# KiCad board GIMIX DMA SASI.kicad_pcb (continued)
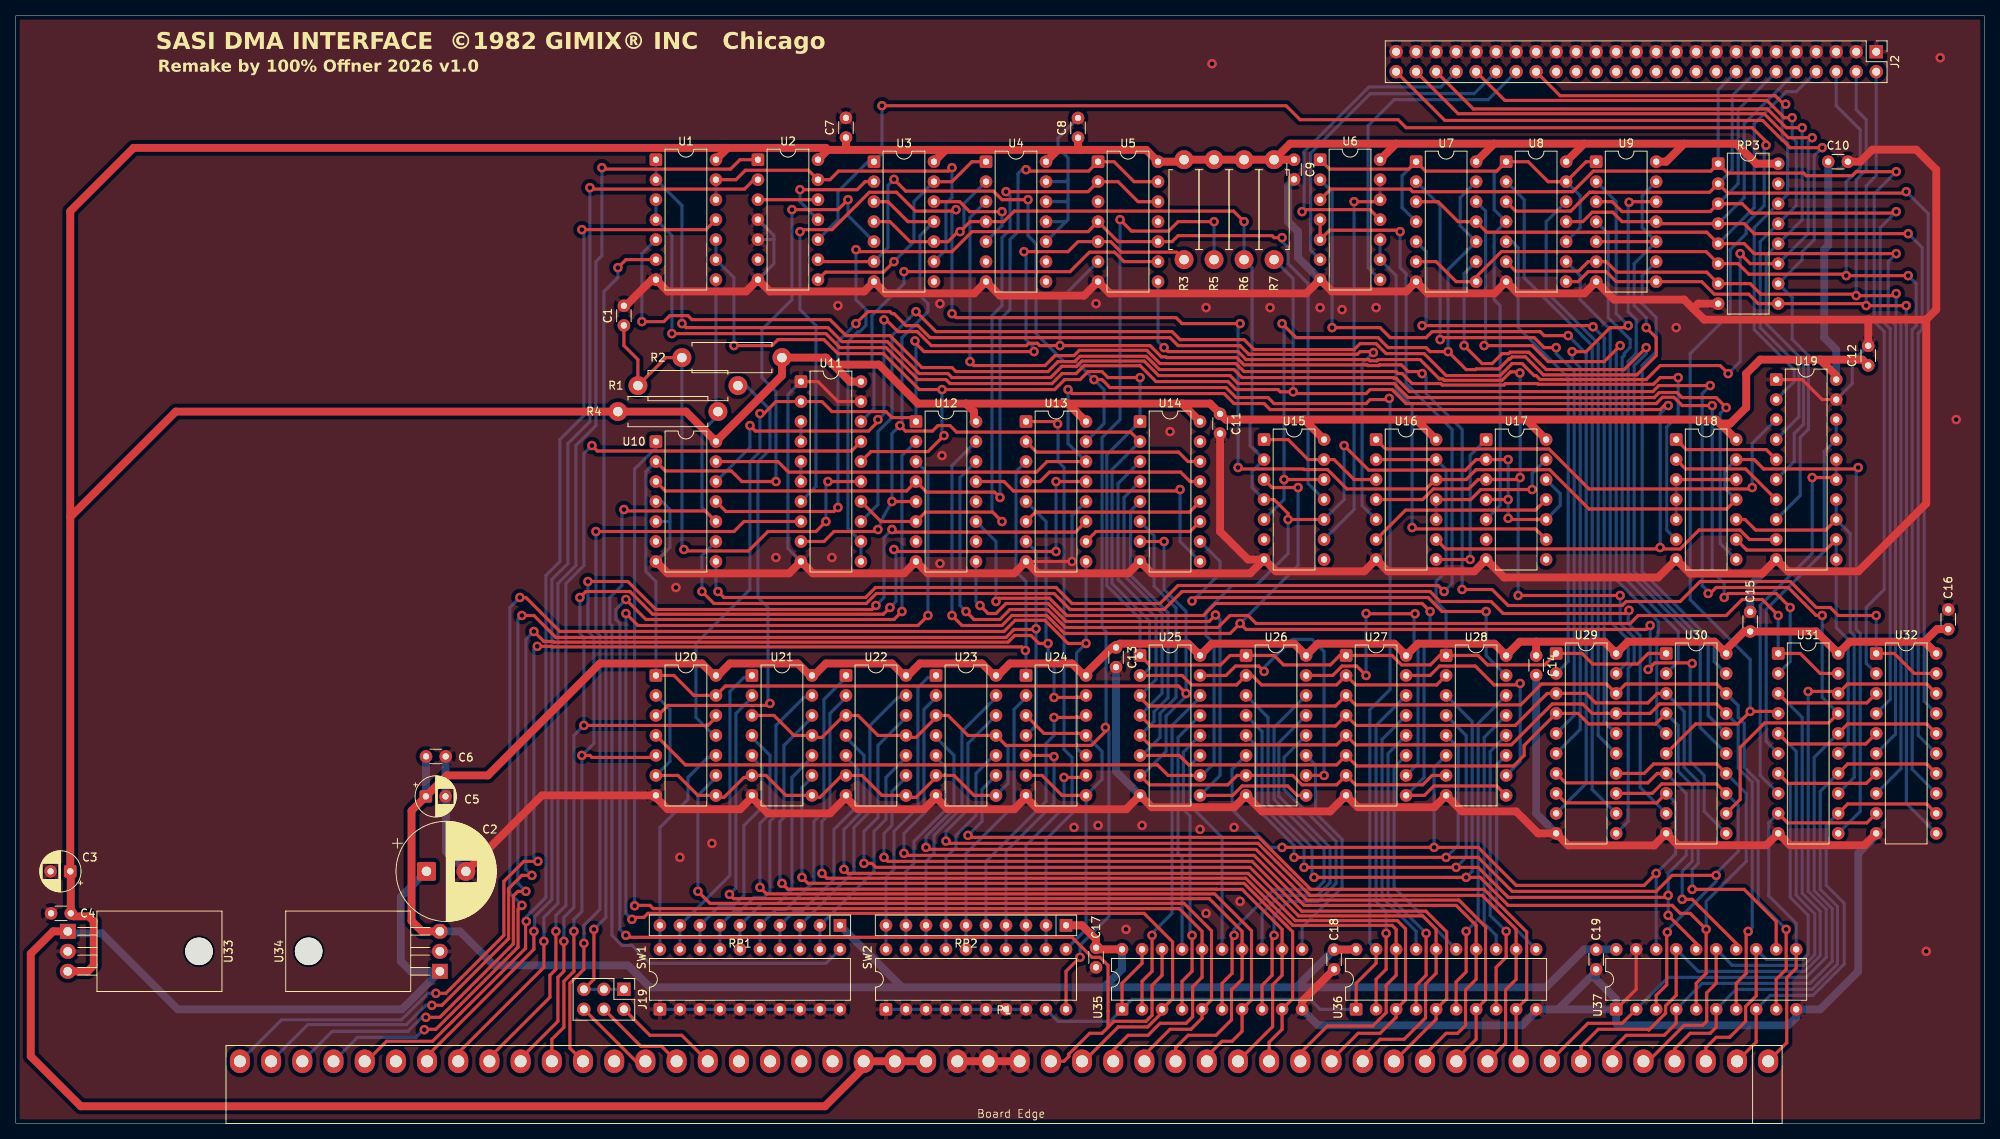
[diagram p0: board, top side]
## Routing (per net, layer and track width the routed paths; a pad name or vN(x,y) marks a point on that pad's centre or on a via; arc(x,y) is an arc through that point)
+5V: length 662.5
  Top w1: 211.84,124.46 199.14,124.46 ; 211.84,124.46 209.55,122.17 U9.14 ; 211.84,124.46 218.44,124.46 220.98,121.92 RP3.16 ; 199.14,124.46 187.71,124.46 ; 199.14,124.46 U8.14 ; 105.41,123.67 103.1,123.67 ; 105.41,123.67 118.09,123.67 ; 105.41,123.67 105.41,125.22 ; 103.1,123.67 U2.14 ; 103.1,123.67 102.85,123.93 90.4,123.93 ; 148.08,91.44 151.64,91.44 152.91,90.17 C11.1 153.63,89.41 163.58,89.41 ; 148.08,91.44 U14.16 ; 148.08,91.44 133.6,91.44 ; C9.1 R7.1 ; R7.1 R3.1 148.08,122.17 U5.14 143.53,123.67 135.13,123.67 ; R7.1 161.8,124.46 175.26,124.46 ; 229.11,97.03 221.49,97.03 219.71,95.25 219.71,90.93 217.68,88.9 216.41,88.9 ; 229.11,97.03 234.46,97.03 C12.1 235.44,96.29 ; 229.11,97.03 231.14,95 U19.20 ; 6.92,77.02 6.92,115.89 14.96,123.93 90.4,123.93 ; 6.92,77.02 20.32,90.42 R4.1 85.09,90.42 U10.14 97.28,95 R2.1 102.87,97.28 103.76,96.39 ; 6.92,77.02 C3.1 ; 191.77,89.41 U17.14 ; 191.77,89.41 177.8,89.41 ; 191.77,89.41 215.9,89.41 216.41,88.9 ; 132.31,123.67 118.09,123.67 ; 132.31,123.67 U4.14 ; 132.31,123.67 135.13,123.67 ; 118.09,123.67 U3.14 ; 103.76,96.39 105.92,94.23 U11.20 ; 103.76,96.39 109.6,96.39 114.55,91.44 120.65,91.44 ; U12.16 121.67,89.41 121.67,90.42 120.65,91.44 ; 90.4,123.93 U1.14 ; 135.13,123.67 134.87,123.93 C8.1 ; 163.58,89.41 177.8,89.41 ; 163.58,89.41 U15.14 ; 177.8,89.41 U16.14 ; 175.26,124.46 U6.14 ; 175.26,124.46 187.71,124.46 ; 120.65,91.44 133.6,91.44 ; U33.3 9.14,19.3 9.91,20.07 9.91,25.65 9.27,26.29 7.37,26.29 C4.1 ; 187.71,124.46 U7.14 ; 216.41,88.9 U18.14 ; 6.98,26.92 6.98,31.96 6.95,32 ; 133.6,91.44 U13.16
  Bottom w1: C10.1 230.12,111.51 229.62,111 229.62,99.82 231.14,98.3 U19.20
+8V: length 210.2
  Top w1: P1.28 P1.30 107.66,7.08 102.74,2.16 8.25,2.16 1.91,8.51 1.91,21.55 4.74,24.38 U33.1
  Bottom w1: C2.1 48.89,28.75 48.89,20.57 50.17,19.3 U34.1 49.02,14.48 20.57,14.48 10.92,24.13 6.35,24.13 U33.1
GND: length 1004.2
  Top w0.4: 235.2,101.85 235.46,102.11 ; U11.1 101.85,94.23 104.39,91.69 U11.19 ; U37.19 205.74,17.02 U37.1 ; U19.19 229.36,91.95 226.82,94.49 U19.1 ; v1(134.11,71.37) U13.8
  Top w1: 116.84,41.4 118.34,39.9 126.77,39.9 128.27,41.4 ; 116.84,41.4 U23.7 ; 116.84,41.4 115.34,39.9 106.91,39.9 105.41,41.4 ; C10.2 234.19,122.17 235.71,123.7 241.3,123.7 243.84,121.16 243.84,103.38 242.57,102.11 ; U32.10 234.72,35.33 225.27,35.33 U31.10 222.27,35.33 211.05,35.33 U30.10 208.03,35.31 197.1,35.31 U29.10 193.29,36.83 190.5,39.62 183.64,39.62 U28.8 180.11,40.16 170.41,40.16 U27.8 166.88,39.62 158.24,39.62 U26.8 154.71,40.16 144.25,40.16 U25.8 140.99,39.9 129.77,39.9 128.27,41.4 ; P1.27 P1.25 ; 93.47,41.4 95.5,39.37 103.38,39.37 105.41,41.4 ; 93.47,41.4 91.97,39.9 82.78,39.9 81.28,41.4 U20.7 66.8,41.66 C2.2 ; 93.47,41.4 U21.7 ; 212.98,103.5 214.38,102.11 235.2,102.11 ; 212.98,103.5 211.84,104.65 202.95,104.65 U9.7 199.16,105.43 190.73,105.43 U8.7 187.73,105.43 179.3,105.43 U7.7 176.55,105.69 167.11,105.69 U6.7 163.85,105.43 138.91,105.43 U5.7 135.64,105.16 124.97,105.16 U4.7 121.69,105.43 110.47,105.43 U3.7 107.72,105.69 95.73,105.69 U2.7 92.73,105.69 82.78,105.69 U1.7 80.77,107.19 77.45,103.87 C1.2 ; 212.98,103.5 213.61,104.14 RP3.8 ; 242.57,102.11 242.57,78.74 233.96,70.13 225.02,70.13 U19.10 221.74,69.85 212.6,69.85 U18.7 208.53,69.34 188.98,69.34 U17.7 185.19,70.13 174.22,70.13 U16.7 171.22,70.13 160,70.13 U15.7 ; 242.57,102.11 235.2,102.11 ; C11.2 152.91,75.18 156.46,71.63 U15.7 ; U35.10 163.32,15.49 C18.2 ; 128.27,41.4 U24.7 ; 105.41,41.4 U22.7 ; U15.7 156.74,69.87 144.25,69.87 U14.8 141.25,69.87 129.77,69.87 U13.8 126.77,69.87 115.8,69.87 U12.8 112.8,69.87 101.2,69.87 U11.10 98.2,69.87 82.78,69.87 U10.7 ; 235.2,102.11 C12.2
  Bottom w0.4: 133.6,119.89 133.35,119.63 U4.13 ; 133.6,119.89 133.6,122.68 132.33,123.95 132.33,125.18 C8.2 ; 133.6,119.89 133.6,117.35 ; 96.27,112.27 96.27,109.22 U2.7 ; 96.27,112.27 96.27,112.78 U2.4 ; 96.27,112.27 U2.5 ; U4.10 133.35,114.55 ; 133.35,114.55 133.6,114.81 133.6,117.35 ; 133.35,114.55 U4.11 ; C12.2 233.17,96.75 233.17,93.98 U19.19 ; SW1.10 SW1.1 ; U11.10 98.04,73.02 98.04,92.58 U11.1 ; v1(134.11,71.37) 134.11,77.22 U13.12 ; 83.06,76.45 83.06,77.98 82.04,78.99 U10.4 ; 83.06,76.45 83.06,73.15 U10.7 ; 83.06,76.45 U10.5 ; SW2.8 SW2.1 ; U4.12 133.35,117.09 133.6,117.35
  Bottom w1: U35.10 165.35,12.45 191.26,12.45 193.04,14.22 U36.10 195.83,14.48 ; C13.2 139.7,44.7 U25.8 ; C14.2 193.04,39.37 U29.10 ; U37.1 203.2,15.75 200.66,18.29 C19.2 200.66,19.3 195.83,14.48 ; U37.1 203.2,12.7 203.45,12.45 225.04,12.45 226.06,13.46 U37.10 229.11,14.48 233.93,19.3 233.93,34.29 236.22,36.58 U32.10 ; U37.1 195.83,14.48 ; 54.63,41.53 54.63,34.52 C2.2 ; C6.2 54.57,46.59 C5.2 ; U19.10 220.22,68.33 C15.2 ; C9.2 162.31,119.89 161.54,119.13 161.54,114.55 162.81,113.28 162.81,109.98 U6.7
  vias: v1(83.82,68.07) v1(84.33,33.78) v1(88.39,35.56) v1(96.52,71.88) v1(103.63,71.88) v1(104.39,103.89) v1(117.35,104.14) v1(117.35,71.12) v1(117.6,84.84) v1(134.37,37.59) v1(137.16,104.14) v1(137.41,37.85) v1(140.97,24.64) v1(143,37.85) v1(146.56,87.88) v1(150.37,37.34) v1(151.13,103.63) v1(151.13,26.67) v1(151.89,134.62) v1(154.69,37.59) v1(155.45,28.19) v1(159.26,103.63) v1(165.61,103.63) v1(168.4,103.38) v1(172.72,103.63) v1(210.82,101.09) v1(242.57,21.84) v1(244.35,135.38) v1(246.38,89.41)
+5C: length 443
  Top w1: U35.20 137.37,22.1 C17.1 137.16,23.37 135.38,25.15 RP2.1 ; 193.04,61.19 190.98,61.19 U28.16 187.73,60.94 178.03,60.94 U27.16 175.03,60.94 165.33,60.94 U26.16 162.33,60.94 151.87,60.94 U25.16 148.87,60.94 140.18,60.94 C13.1 139.19,60.45 135.89,57.15 U24.14 135.64,56.9 134.11,58.42 126.24,58.42 124.71,56.9 U23.14 124.21,56.9 122.68,58.42 114.81,58.42 113.28,56.9 U22.14 112.78,56.9 111.25,58.42 102.87,58.42 101.35,56.9 U21.14 100.84,56.9 99.31,58.42 90.68,58.42 89.15,56.9 U20.14 88.65,56.9 87.12,58.42 74.17,58.42 59.94,44.2 54.74,44.2 C5.1 50.25,39.71 50.25,25.72 51.58,24.38 U34.3 ; 193.04,61.19 C14.1 ; 193.04,61.19 201.7,61.19 U29.20 204.7,61.19 215.67,61.19 U30.20 217.17,60.2 219.46,62.48 C15.1 228.6,62.48 U31.20 ; C18.1 170.14,22.06 U36.20 ; C16.1 243.93,62.78 242.34,61.19 ; U31.20 232.89,61.19 242.34,61.19 ; U31.20 229.89,61.19 ; 242.34,61.19 U32.20
  Bottom w1: 112.52,17.27 138.18,17.27 ; 112.52,17.27 RP1.1 ; 112.52,17.27 80.52,17.27 77.72,20.07 60.71,20.07 56.39,24.38 U34.3 ; 138.18,17.27 140.46,19.56 U35.20 ; 138.18,17.27 162.6,17.27 ; U37.20 199.14,22.1 194.31,17.27 162.6,17.27 ; C6.1 52.09,41.55 C5.1 ; 162.6,17.27 C18.1 167.43,22.1 U36.20
/A0: length 197.6
  Top w0.4: 138.68,12.19 137.92,11.43 136.35,11.43 133.71,8.8 133.71,8.49 133.09,7.87 P1.24 ; 138.68,12.19 139.45,12.95 143.51,12.95 144.27,13.72 144.27,17.53 145.54,18.8 U35.18 ; 138.68,12.19 138.68,14.22 138.69,14.23 138.69,20.06 137.67,21.08 136.65,21.08 134.11,23.62 77.72,23.62 v1(77.47,23.88) ; v1(77.47,66.55) 80.01,64.01 111.51,64.01 v1(112.52,65.02)
  Bottom w0.4: v1(112.52,65.02) 112.52,84.84 U12.2 ; v1(77.47,66.55) 76.2,65.28 76.2,64.01 76.71,63.5 76.71,24.64 v1(77.47,23.88)
/A1: length 191.6
  Top w0.4: P1.23 135.61,7.87 139.98,12.24 143.72,12.24 145.54,14.06 U35.3 146.88,15.82 146.88,23.04 143.26,26.67 80.26,26.67 79.76,26.16 78.49,26.16 v1(78.23,25.91) ; v1(77.47,64.77) 78.99,63.25 114.55,63.25 v1(115.82,64.52)
  Bottom w0.4: v1(77.47,64.77) 77.47,26.67 v1(78.23,25.91) ; v1(115.82,64.52) 115.82,82.55 U12.3
/A2: length 158.1
  Top w0.4: P1.22 139.34,9.3 141.22,11.18 143.76,11.18 145.29,12.7 148.59,12.7 149.42,13.53 149.42,17.34 150.62,18.54 U35.16 150.62,24.38 147.74,27.27 80.93,27.27 80.52,27.69 78.7,27.69 78.65,27.63 v1(78.57,27.63)
  Bottom w0.4: v1(78.57,27.63) 78.57,83.11 81.28,85.81 U10.1
/A2': length 107.2
  Top w0.4: v1(128.27,121.16) 128.45,120.97 136.21,120.97 U5.1 139.45,122.17 141.99,119.63 U5.13 ; U10.3 82.48,80.33 113.1,80.33 U12.4 115.64,80.19 124.28,80.19 v1(124.97,79.5)
  Bottom w0.4: v1(124.97,79.5) 124.97,102.11 126.24,103.38 126.24,112.27 127.25,113.28 127.25,120.65 127.76,121.16 v1(128.27,121.16)
/A3: length 104.6
  Top w0.4: P1.21 143.3,8.68 146.56,11.94 149.21,11.94 150.62,13.35 U35.5 151.82,15.68 151.82,24.45 148.34,27.94 88.14,27.94 v1(86.61,29.46)
  Bottom w0.4: v1(86.61,29.46) 86.61,41.66 88.9,43.94 U20.9
/A4: length 115.6
  Top w0.4: v1(90.62,29.08) 91.16,28.54 151.55,28.54 155.7,24.38 U35.14 155.7,18.29 154.36,16.95 154.36,13.14 152.4,11.18 148.84,11.18 147.26,9.6 P1.20
  Bottom w0.4: v1(90.62,29.08) 91.44,29.9 91.44,52.07 93.47,54.1 U21.2
/A5: length 105.2
  Top w0.4: v1(94.49,29.97) 95.32,29.14 152.22,29.14 156.9,24.45 156.9,15.68 U35.7 155.7,11.68 154.43,10.41 153.16,10.41 151.22,8.48 P1.19
  Bottom w0.4: v1(94.49,29.97) 94.49,38.1 95.76,39.37 95.76,46.74 93.47,49.02 U21.4
/A6: length 108.1
  Top w0.4: P1.18 159.58,12.27 159.58,17.6 160.78,18.8 U35.12 160.78,24.64 155.7,29.72 152.49,29.72 152.46,29.74 98.02,29.74 v1(97.28,30.48)
  Bottom w0.4: U21.12 101.09,51.56 97.54,48.01 97.54,38.86 97.03,38.35 97.03,30.73 v1(97.28,30.48)
/A7: length 96.3
  Top w0.4: v1(99.82,31.24) 100.58,30.48 155.96,30.48 162.12,24.31 162.12,15.82 U35.9 160.78,11.94 159.14,10.3 P1.17
  Bottom w0.4: U21.9 101.09,43.94 99.82,42.67 v1(99.82,31.24)
/A8: length 124.9
  Top w0.4: P1.16 163.1,8.93 166.54,12.36 172.3,12.36 173.99,14.05 173.99,17.53 175.26,18.8 U36.18 175.26,24.64 174.75,25.15 162.14,25.15 156.16,31.12 102.99,31.12 v1(102.36,31.75)
  Bottom w0.4: v1(102.36,31.75) 102.36,38.35 103.38,39.37 103.38,52.07 105.41,54.1 U22.2
/A9: length 115.8
  Top w0.4: P1.15 167.06,8.06 170.43,11.43 173.23,11.43 175.26,13.46 U36.3 176.46,15.68 176.46,24.71 175.42,25.75 162.47,25.75 156.46,31.75 105.66,31.75 v1(105.16,32.26)
  Bottom w0.4: U22.4 105.41,49.02 107.7,46.74 107.7,39.88 105.16,37.34 v1(105.16,32.26)
/A10: length 119.5
  Top w0.4: P1.14 171.02,8.46 173.23,10.67 176.28,10.67 179,13.39 179,17.71 180.34,19.05 U36.16 180.34,24.64 178.63,26.35 162.88,26.35 156.72,32.51 109.22,32.51 108.71,33.02 v1(107.7,33.02)
  Bottom w0.4: U22.12 113.03,51.56 109.47,48.01 109.47,38.86 107.7,37.08 v1(107.7,33.02)
/A11: length 106.2
  Top w0.4: v1(110.24,33.78) 110.74,33.27 156.97,33.27 163.3,26.95 179.05,26.95 181.68,24.31 181.68,15.82 U36.5 180.34,13.21 175.01,7.87 P1.13
  Bottom w0.4: v1(110.24,33.78) 110.24,36.83 111.25,37.85 111.25,42.16 113.03,43.94 U22.9
/A12: length 119
  Top w0.4: v1(112.78,34.29) 113.03,34.04 157.23,34.04 163.58,27.69 182.88,27.69 185.42,25.15 U36.14 185.42,18.29 184.08,16.95 184.08,12.45 183.06,11.43 181.61,11.43 178.94,8.76 P1.12
  Bottom w0.4: U23.2 116.84,54.1 115.32,52.58 115.32,39.37 112.78,36.83 v1(112.78,34.29)
/A13: length 110.5
  Top w0.4: P1.11 182.9,8.15 185.42,10.67 U36.7 186.62,15.68 186.62,24.96 183.23,28.35 163.92,28.35 157.48,34.8 115.82,34.8 v1(115.57,35.05)
  Bottom w0.4: U23.4 116.84,49.02 119.13,46.74 119.13,39.96 115.57,36.41 v1(115.57,35.05)
/A14: length 113.9
  Top w0.4: P1.10 189.16,10.17 189.16,16.95 190.5,18.29 U36.12 190.5,24.64 186.18,28.96 164.34,28.96 157.73,35.56 118.4,35.56 v1(118.11,35.85)
  Bottom w0.4: v1(118.11,35.85) 118.11,37.08 120.9,39.88 120.9,48.26 U23.12
/A15: length 102.2
  Top w0.4: P1.9 190.82,8.31 190.5,8.64 U36.9 191.84,15.82 191.84,24.31 186.44,29.72 164.42,29.72 157.82,36.32 121.16,36.32 v1(120.9,36.58)
  Bottom w0.4: v1(120.9,36.58) 122.68,38.35 122.68,42.42 U23.9
/A16: length 170.6
  Top w0.4: v1(128.19,60.07) 127.74,60.52 68.08,60.52 68.01,60.59 v1(66.22,60.59) ; v1(53.34,16.51) 54.61,16.51 61.98,23.88 61.98,30.73 64.52,33.27 v1(66.29,33.27)
  Bottom w0.4: U24.1 128.27,59.99 v1(128.19,60.07) 128.27,60.15 128.27,68.83 127,70.1 127,82.8 U13.3 ; v1(66.22,60.59) 65.79,60.16 65.79,33.78 v1(66.29,33.27) ; v1(53.34,16.51) 52.33,16.51 48.95,13.14 33.73,13.14 P1.50
/A17: length 175.5
  Top w0.4: v1(52.83,14.99) 54.1,14.99 62.58,23.46 62.58,29.81 64.26,31.5 v1(65.53,31.5) ; v1(131.06,60.96) 129.92,60.96 128.9,61.98 126.83,61.98 125.98,61.12 68.33,61.12 68.24,61.21 67.06,61.21 v1(65.79,62.48) ; v1(131.83,54.1) 135.64,54.1 U24.13
  Bottom w0.4: P1.49 37.09,12.54 49.62,12.54 52.07,14.99 v1(52.83,14.99) ; v1(65.53,31.5) 64.77,32.26 64.77,61.47 v1(65.79,62.48) ; v1(131.83,54.1) 131.83,58.17 131.06,58.93 v1(131.06,60.96) 130.81,61.21 130.81,76.45 U13.5
/A18: length 169.2
  Top w0.4: v1(64.77,29.46) 63.75,29.46 63.18,28.89 63.18,22.8 53.84,13.46 v1(52.07,13.46) ; v1(64.26,64.52) 65.79,64.52 68.58,61.72 125.73,61.72 126.75,62.74 129.46,62.74 v1(129.54,62.82)
  Bottom w0.4: v1(52.07,13.46) 51.56,13.46 49.78,11.68 40.19,11.68 P1.48 ; U13.7 129.54,72.64 v1(129.54,62.82) 129.54,50.55 U24.4 ; v1(64.26,64.52) 63.75,64.01 63.75,30.48 v1(64.77,29.46)
/A19: length 176.5
  Top w0.4: v1(64.26,27.69) 63.78,27.2 63.78,22.37 53.34,11.94 51.92,11.94 v1(51.87,11.88) ; v1(64.01,66.8) 64.77,66.8 69.09,62.48 125.48,62.48 126.91,63.91 130.65,63.91 133.6,60.96 v1(135.89,60.96)
  Bottom w0.4: v1(51.87,11.88) 51.76,11.88 50.8,10.92 43.39,10.92 P1.47 ; U24.10 135.64,46.74 134.69,47.68 134.69,59.76 v1(135.89,60.96) U13.9 ; v1(64.01,66.8) 62.74,65.53 62.74,29.21 v1(64.26,27.69)
/BA: length 141.5
  Top w0.4: v1(74.42,121.41) 74.61,121.23 90.75,121.23 91.95,122.43 U2.1 ; v1(67.06,23.11) 67.06,19.81 56.18,8.94 P1.43
  Bottom w0.4: v1(67.06,23.11) 67.06,26.16 68.83,27.94 68.83,68.58 71.12,70.87 71.12,86.11 73.66,88.65 73.66,109.47 74.42,110.24 v1(74.42,121.41)
/BD0: length 48.4
  Top w0.4: U32.9 235.02,38.17 224.97,38.17 U31.9 ; P1.1 224.86,10.23 224.86,18.5 226.06,19.7 U37.11
  Bottom w0.4: U37.11 226.06,25.4 222.57,28.89 222.57,38.17 U31.9
/BD1: length 55.3
  Top w0.4: U32.12 242.64,40.57 232.59,40.57 U31.12 ; P1.2 220.98,10.31 U37.8
  Bottom w0.4: U31.12 229.87,37.85 229.87,30.23 232.16,27.94 232.16,20.23 228.18,16.26 222.76,16.26 U37.8
/BD2: length 63.3
  Top w0.4: U32.7 234.95,43.18 225.04,43.18 U31.7 ; U37.13 220.98,16.18 219.64,14.84 219.64,12.95 217.61,10.92 215.9,10.92 214.58,9.61 P1.3
  Bottom w0.4: U37.13 222.25,20.83 226.95,20.83 227.58,21.46 227.58,26.42 225.3,28.7 225.3,42.93 U31.7
/BD3: length 67.6
  Top w0.4: U31.14 232.59,45.65 242.64,45.65 U32.14 ; U37.6 215.9,12.19 215.14,11.43 212.6,11.43 210.62,9.46 P1.4
  Bottom w0.4: U31.14 229.11,42.16 229.11,29.72 231.3,27.52 231.3,20.23 228.09,17.02 218.44,17.02 U37.6
/BD4: length 77.3
  Top w0.4: P1.5 207.26,7.87 211.84,12.45 214.19,12.45 214.7,12.95 214.7,16.58 215.9,17.78 U37.15 ; U31.5 225.11,48.19 234.88,48.19 U32.5
  Bottom w0.4: U37.15 217.93,20.07 227.04,20.07 228.42,21.45 228.42,26.6 226.06,28.96 226.06,47.24 U31.5
/BD5: length 79.7
  Top w0.4: U32.16 242.64,50.73 232.59,50.73 U31.16 ; U37.4 210.82,12.7 209.3,11.18 204.47,11.18 202.7,9.41 P1.6
  Bottom w0.4: U31.16 228.35,46.48 228.35,29.55 230.63,27.26 230.63,20.57 227.84,17.78 214.12,17.78 U37.4
/BD6: length 92.4
  Top w0.4: U37.17 210.82,16.26 209.48,14.92 209.48,13.98 207.35,11.85 207.26,11.94 200.91,11.94 198.74,9.77 P1.7 ; U31.3 224.97,53.41 235.02,53.41 U32.3
  Bottom w0.4: U31.3 226.82,51.56 226.82,29.21 229.11,26.92 229.11,21.29 227.12,19.3 213.61,19.3 U37.17
/BD7: length 92.6
  Top w0.4: P1.8 199.61,12.7 203.96,12.7 U37.2 ; U32.18 242.64,55.81 232.59,55.81 U31.18 231.14,54.86 v1(227.58,54.86)
  Bottom w0.4: U37.2 209.8,18.54 227.33,18.54 229.87,21.08 229.87,27.18 227.58,29.46 v1(227.58,54.86)
/BE: length 96.3
  Top w0.4: U11.8 92.46,76.45 91.19,75.18 v1(73.66,75.18) ; P1.39 70.36,9.54 70.36,17.78 72.14,19.56 v1(72.14,22.86)
  Bottom w0.4: v1(72.14,22.86) 72.14,25.15 74.17,27.18 74.17,61.98 73.66,62.48 v1(73.66,75.18)
/BR/~{W}: length 162.3
  Top w0.4: v1(69.6,23.11) 69.6,19.3 68.83,18.54 68.83,12.95 64.1,8.22 P1.41 ; v1(132.08,72.64) 111.76,72.64 v1(111.51,72.9) ; v1(132.08,81.53) U13.13 ; v1(72.14,50.55) 87.88,50.55 88.9,51.56 U20.12 ; v1(71.63,66.8) 72.39,67.56 77.98,67.56 80.86,64.68 110.14,64.68 v1(111,65.53)
  Bottom w0.4: v1(111,65.53) 111.76,66.29 111.76,72.64 v1(111.51,72.9) ; v1(69.6,23.11) 69.6,26.16 70.87,27.43 70.87,49.28 v1(72.14,50.55) 72.14,61.72 71.63,62.23 v1(71.63,66.8) ; v1(132.08,72.64) v1(132.08,81.53)
/BS: length 141.5
  Top w0.4: v1(65.79,24.38) 65.79,22.1 52.22,8.54 P1.44 ; v1(72.9,118.87) 73.08,118.69 92.53,118.69 93.73,119.89 U2.2
  Bottom w0.4: v1(65.79,24.38) 65.88,24.47 65.88,26.25 68.07,28.45 68.07,69.09 70.1,71.12 70.1,86.36 72.9,89.15 v1(72.9,118.87)
/DIP Switches/swA3: length 28
  Bottom w0.4: U20.10 88.65,46.48 87.88,46.48 85.34,43.94 85.34,41.15 81.79,37.59 RP1.10 SW1.20
/DIP Switches/swA4: length 39
  Bottom w0.4: U21.1 93.22,56.64 92.46,56.64 90.68,54.86 90.68,31.5 RP1.9 SW1.19
/DIP Switches/swA5: length 29.5
  Bottom w0.4: U21.5 93.47,46.48 94.74,45.21 94.74,40.13 92.46,37.85 92.46,28.96 91.19,27.69 89.41,27.69 RP1.8 SW1.18
/DIP Switches/swA6: length 38.7
  Bottom w0.4: U21.13 100.84,54.1 100.08,54.1 96.52,50.55 96.52,39.12 95.76,38.35 95.76,29.46 95,28.7 93.73,28.7 91.95,26.92 91.19,26.92 RP1.7 SW1.17
/DIP Switches/swA7: length 29.6
  Bottom w0.4: SW1.16 RP1.6 94.74,27.94 96.77,27.94 98.55,29.72 98.55,43.94 101.09,46.48 U21.10
/DIP Switches/swA8: length 40.1
  Bottom w0.4: U22.1 105.41,56.64 102.62,53.85 102.62,39.62 101.35,38.35 101.35,30.73 97.79,27.18 96.52,27.18 RP1.5 SW1.15
/DIP Switches/swA9: length 30
  Bottom w0.4: U22.5 105.41,46.48 106.93,44.96 106.93,40.39 103.89,37.34 103.89,30.99 99.82,26.92 98.81,26.92 RP1.4 SW1.14
/DIP Switches/swA10: length 38.3
  Bottom w0.4: U22.13 112.78,54.1 112.01,54.1 108.46,50.55 108.46,39.62 106.43,37.59 106.43,32 RP1.3 SW1.13
/DIP Switches/swA11: length 29.2
  Bottom w0.4: SW1.12 RP1.2 108.97,32 108.97,37.08 110.49,38.61 110.49,43.94 113.03,46.48 U22.10
/DIP Switches/swA12: length 37.9
  Bottom w0.4: U23.1 116.59,56.64 115.82,56.64 114.55,55.37 114.55,40.13 111.51,37.08 111.51,32.26 110.49,31.24 RP2.10 SW2.20
/DIP Switches/swA13: length 27.2
  Bottom w0.4: SW2.19 RP2.9 113.03,32 114.05,33.02 114.05,35.81 118.04,39.81 118.04,45.28 116.84,46.48 U23.5
/DIP Switches/swA14: length 35.9
  Bottom w0.4: SW2.18 RP2.8 115.57,33.27 116.59,34.29 116.59,36.58 120.14,40.13 120.14,49.78 124.46,54.1 U23.13
/DIP Switches/swA15: length 27.4
  Bottom w0.4: U23.10 124.21,46.48 123.95,46.48 121.92,44.45 121.92,39.12 119.38,36.58 119.38,35.05 118.11,33.78 RP2.7 SW2.17
/DIP Switches/swA16: length 35.4
  Bottom w0.4: SW2.16 RP2.6 120.65,34.29 126.75,40.39 126.75,52.58 128.27,54.1 U24.2
/DIP Switches/swA17: length 37.2
  Top w0.4: U24.12 135.64,51.56 v1(131.83,51.56)
  Bottom w0.4: SW2.15 RP2.5 123.19,33.27 130.81,40.89 130.81,48.26 131.83,49.28 v1(131.83,51.56)
/DIP Switches/swA18: length 30.6
  Top w0.4: U24.5 131.68,46.74 v1(131.83,46.59)
  Bottom w0.4: SW2.14 RP2.4 125.73,34.54 131.83,40.64 v1(131.83,46.59)
/DIP Switches/swA19: length 26.7
  Top w0.4: v1(133.1,43.94) 135.64,43.94 U24.9
  Bottom w0.4: v1(133.1,43.94) 133.1,40.13 128.27,35.31 RP2.3 SW2.13
/DIP Switches/~{DMAON}: length 73
  Top w0.4: v1(132.28,88.86) 131.99,89.15 U13.1
  Bottom w0.4: v1(132.28,88.86) 132.33,88.81 132.33,84.07 133.1,83.31 133.1,47.5 134.11,46.48 134.11,39.37 130.81,36.07 RP2.2 SW2.12
/DMAE: length 231.1
  Top w0.4: U30.6 213.29,50.73 218.62,50.73 v1(220.22,52.32) 223.52,52.32 U31.4 ; v1(222.23,124.27) 222.23,124.73 220.47,126.49 176.53,126.49 175.51,127.51 163.07,127.51 161.29,129.29 v1(109.98,129.29)
  Bottom w0.4: v1(222.23,124.27) 222.23,124.19 222,123.95 222,116.59 219.71,114.3 219.71,113.03 217.68,111 217.68,102.87 212.6,97.79 212.6,66.55 220.22,58.93 v1(220.22,52.32) ; U2.10 104.39,114.81 104.39,118.36 108.2,122.17 U3.1 109.98,123.19 v1(109.98,129.29)
/DMAWNDW: length 243.3
  Top w0.4: v1(145.8,73.91) U14.7 ; v1(98.55,116.08) 104.39,116.08 v1(105.66,117.35) ; U10.2 82.48,82.87 90.86,82.87 92.2,81.53 v1(96.52,81.53) ; U20.1 83.57,56.9 86.11,54.36 U20.13 90.1,55.56 147.64,55.56 v1(148.59,54.61) ; U25.7 143.95,43 153.88,43 155.08,44.2 U26.7 162.13,44.2 163.33,43 167.71,43 U27.7 170.11,43 178.63,43 179.83,44.2 U28.7
  Bottom w0.4: v1(96.52,81.53) 96.52,92.96 94.74,94.74 94.74,100.84 98.55,104.65 v1(98.55,116.08) ; U20.1 81.28,68.83 80.01,70.1 80.01,82.8 U10.2 ; v1(105.66,117.35) 105.66,115.32 U3.5 ; v1(145.8,73.91) 145.8,67.82 148.59,65.02 v1(148.59,54.61) 148.59,54.27 146.05,51.73 146.05,47.24 143,44.2 U25.7
/E: length 134.6
  Top w0.4: v1(106.68,111) 106.93,110.74 118.87,110.74 121.41,113.28 136.14,113.28 U5.4 139.95,112.01 U5.10 146.81,112.01 147.57,112.78 159.51,112.78 159.77,112.52 v1(160.78,112.52)
  Bottom w0.4: v1(106.68,111) 106.68,104.65 107.95,103.38 107.95,101.39 107.11,100.55 106.9,100.55 105.66,99.31 105.66,75.56 U11.12 U11.11 ; v1(160.78,112.52) 160.78,112.01 161.54,111.25 161.54,109.22 164.08,106.68 164.08,81.28 U15.11
/ID0: length 156.3
  Top w0.4: v1(224.79,24.64) 224.79,19.56 223.52,18.29 U37.9 ; U30.18 215.97,55.81 204.4,55.81 U29.18 202,55.81 193.73,55.81 191.08,53.16 170.11,53.16 U27.3 167.57,53.02 143.83,53.02 142.75,54.1 U25.3
  Bottom w0.4: U30.18 218.69,53.09 218.69,51.56 219.46,50.8 219.46,45.21 221.23,43.43 221.23,28.19 v1(224.79,24.64) ; U25.3 144.78,56.39 144.78,64.26 139.95,69.09 139.95,81.28 U14.3
/ID1: length 147.6
  Top w0.4: U25.4 144.09,50.48 167.57,50.48 U27.4 170.18,50.55 190.38,50.55 194.45,54.61 U29.3 199.39,54.61 200.59,53.41 207.22,53.41 208.42,54.61 U30.3 ; U37.12 223.52,25.65 219.46,29.72 v1(212.85,29.72)
  Bottom w0.4: U25.4 145.54,54.61 145.54,64.77 140.72,69.6 140.72,79.5 U14.4 ; U30.3 211.84,52.32 211.84,45.21 213.61,43.43 213.61,33.02 212.85,32.26 v1(212.85,29.72)
/ID2: length 153
  Top w0.4: U37.7 218.44,17.78 219.71,19.05 219.71,24.13 v1(219.96,24.38) ; U30.17 215.97,53.27 208.72,53.27 207.52,52.07 U29.17 200.15,52.07 198.95,53.27 195.08,53.27 189.89,48.08 170.11,48.08 U27.5 167.71,48.08 143.95,48.08 U25.5
  Bottom w0.4: U25.5 144.53,51.05 144.53,52.28 146.3,54.06 146.3,64.86 141.55,69.61 141.55,77.79 U14.5 ; U30.17 218.69,50.55 218.69,45.13 220.47,43.35 220.47,24.89 v1(219.96,24.38)
/ID3: length 142.1
  Top w0.4: v1(211.58,28.45) 212.85,28.45 218.44,22.86 U37.14 ; U25.6 147.73,46.74 148.93,45.54 167.71,45.54 U27.6 170.25,45.4 190.18,45.4 191.52,46.74 191.52,48.01 U29.4 198.37,52.07 199.71,50.73 208.21,50.73 U30.4
  Bottom w0.4: v1(211.58,28.45) 211.58,32 212.85,33.27 212.85,42.93 211.07,44.7 211.07,50.55 U30.4 ; U25.6 143,46.74 145.29,49.02 145.29,52.07 147.32,54.1 147.32,65.45 144.53,68.24 144.53,74.68 U14.6
/ID4: length 152.6
  Top w0.4: v1(164.85,31.24) v1(184.15,31.24) 185.93,31.24 189.48,27.69 210.31,27.69 211.33,26.67 212.6,26.67 v1(214.63,24.64) 214.63,19.05 213.36,17.78 U37.5 ; U30.14 215.97,45.65 207.96,45.65 206.76,44.45 U29.14
  Bottom w0.4: v1(164.85,31.24) 164.59,31.5 164.59,35.05 159,40.64 159,51.56 U26.3 ; v1(214.63,24.64) 214.63,28.19 219.71,33.27 219.71,41.91 U30.14 ; U28.3 184.91,51.05 184.91,32 v1(184.15,31.24)
/ID5: length 131.9
  Top w0.4: v1(209.8,28.96) 209.55,28.7 189.48,28.7 185.67,32.51 v1(182.88,32.51) v1(163.58,32.51) ; U37.16 213.36,22.86 v1(209.8,26.42) ; U30.7 208.42,44.45 207.22,43.25 196.78,43.25 U29.7
  Bottom w0.4: v1(182.88,32.51) 184.15,33.78 184.15,49.28 U28.4 ; v1(209.8,26.42) v1(209.8,28.96) 209.8,31.75 212.09,34.04 212.09,41.91 U30.7 ; U26.4 158.24,49.78 158.24,40.39 163.58,35.05 v1(163.58,32.51)
/ID6: length 138.3
  Top w0.4: U29.13 207.77,41.91 208.97,43.11 215.97,43.11 U30.13 ; U37.3 208.28,16.26 209.62,17.6 209.62,24.2 v1(209.7,24.28) ; v1(215.9,31.5) 210.31,31.5 208.28,29.46 189.99,29.46 185.67,33.78 v1(181.61,33.78) v1(162.31,33.78)
  Bottom w0.4: U26.5 157.48,48.01 157.48,40.13 162.31,35.31 v1(162.31,33.78) ; U28.5 183.13,47.75 183.13,35.31 v1(181.61,33.78) ; U30.13 218.69,40.39 218.69,34.54 215.9,31.75 v1(215.9,31.5) 215.9,30.73 209.7,24.53 v1(209.7,24.28)
/ID7: length 114.7
  Top w0.4: v1(208.28,31.75) 206.76,30.23 190.5,30.23 185.67,35.05 v1(180.09,35.05) v1(160.78,35.05) ; U29.8 196.78,40.71 208.35,40.71 U30.8
  Bottom w0.4: U26.6 154.43,44.96 154.43,39.88 159.26,35.05 v1(160.78,35.05) ; v1(180.09,35.05) 180.09,45.21 U28.6 ; U30.8 210.75,40.71 210.75,34.22 v1(208.28,31.75) U37.18
/READ: length 199.4
  Top w0.4: v1(209.8,91.19) 209.3,91.19 208.79,90.68 159.26,90.68 158.5,91.44 154.69,91.44 153.42,92.71 134.11,92.71 v1(133.6,93.22) ; U13.14 130.94,84.07 129.6,82.73 98.11,82.73 96.77,84.07 U10.13 ; U19.9 220.14,74.17 218.94,75.37 213.72,75.37 211.32,72.97 208.97,72.97 v1(208.79,73.15) 208.6,72.97 181.54,72.97 U16.9
  Bottom w0.4: v1(133.6,93.22) 133.6,86.36 U13.14 ; v1(209.8,91.19) 208.79,90.17 v1(208.79,73.15)
/SASI Interface/BUSY: length 46.7
  Bottom w0.4: U31.6 222.25,48.51 222.25,65.28 229.62,72.64 229.62,85.34 U19.17 U19.18
/SASI Interface/C/D: length 52.9
  Top w0.4: U19.13 229.8,75.37 220.91,75.37 219.57,76.71 U18.10
  Bottom w0.4: U31.13 233.43,43.94 233.43,61.98 232.92,62.48 232.92,74.93 U19.13 U19.14
/SASI Interface/I/O: length 42.1
  Top w0.4: U19.12 229.8,72.83 219.78,72.83 U18.9
  Bottom w0.4: U31.15 232.66,48.26 232.66,61.47 231.14,62.99 U19.11 U19.12
/SASI Interface/IRQ: length 217.8
  Top w0.4: v1(216.92,66.8) 217.42,67.31 223.52,67.31 v1(225.3,65.53) ; v1(83.31,100.33) 102.87,100.33 104.65,98.55 110.49,98.55 114.55,94.49 118.11,94.49 118.62,93.98 131.57,93.98 132.84,95.25 134.63,95.25 135.62,96.24 142.77,96.24 144.78,94.23 153.92,94.23 154.94,93.22 160.27,93.22 160.56,92.93 v1(162.19,92.93) 162.41,92.71 171.45,92.71 171.96,93.22 174.75,93.22 176.53,91.44 208.28,91.44 209.08,92.24 210.53,92.24 211.58,91.19 v1(215.39,91.19)
  Bottom w0.4: R7.2 162.19,107.3 v1(162.19,92.93) ; v1(215.39,91.19) 215.39,70.1 216.92,68.58 v1(216.92,66.8) ; U1.3 U1.4 83.31,112.78 v1(83.31,100.33) ; U31.2 225.3,58.67 v1(225.3,65.53)
/SASI Interface/IRQEN: length 233.1
  Top w0.4: v1(229.36,64.52) 228.6,64.52 225.04,68.07 215.9,68.07 215.14,67.31 v1(214.88,67.31) ; U30.12 218.95,41.15 218.95,47.75 222.07,50.87 230.19,50.87 U31.17 ; v1(215.14,93.73) 208.62,93.73 207.86,92.96 176.95,92.96 175.27,94.65 175.01,94.65 174.92,94.74 155.7,94.74 154.69,95.76 145.2,95.76 143.52,97.44 135.12,97.44 134.45,96.77 132.33,96.77 131.06,95.5 119.38,95.5 118.87,96.01 115.06,96.01 111,100.08 105.41,100.08 103.38,102.11 85.85,102.11 85.34,102.62 83.06,102.62 82.3,101.85 v1(79.5,101.85)
  Bottom w0.4: U1.5 79.5,110.49 v1(79.5,101.85) ; v1(229.36,64.52) 229.36,54.1 U31.17 ; v1(214.88,67.31) 214.88,67.56 214.12,68.33 214.12,92.71 v1(215.14,93.73)
/SASI Interface/MSG: length 49.5
  Top w0.4: U19.15 230.89,82.04 v1(228.09,82.04)
  Bottom w0.4: U31.8 221.49,44.2 221.49,65.79 228.09,72.39 v1(228.09,82.04) ; U19.16 U19.15
/SASI Interface/REQ: length 266
  Top w0.4: v1(118.87,102.87) 119.38,102.36 147.32,102.36 148.08,101.6 v1(155.45,101.6) ; v1(155.19,83.31) 155.38,83.13 163.51,83.13 163.58,83.06 166.54,83.06 169.01,80.59 179.05,80.59 180.25,81.79 U16.12 184.15,81.79 185.4,83.04 194.75,83.04 199.75,78.05 217.24,78.05 U18.11 ; v1(99.57,113.28) 99.82,113.54 103.63,113.54 108.39,118.29 111.83,118.29 114.23,115.89 119.2,115.89 v1(119.38,116.08) ; U18.13 220.73,84.33 221.93,83.13 233.75,83.13 v1(233.93,83.31)
  Bottom w0.4: v1(118.87,102.87) 118.87,115.57 v1(119.38,116.08) ; v1(155.19,83.31) 155.19,101.35 v1(155.45,101.6) ; U18.13 217.01,82.9 217.01,80.68 U18.11 ; U31.11 234.19,39.62 234.19,62.23 233.68,62.74 233.68,83.06 v1(233.93,83.31) ; U11.7 101.6,80.9 101.6,101.35 99.57,103.38 v1(99.57,113.28)
/SASI Interface/SAD0: length 59
  Bottom w0.4: U30.19 215.65,58.67 215.65,60.96 206.5,70.1 206.5,96.27 208.28,98.04 208.28,102.36 206.5,104.14 206.5,107.7 U9.9
/SASI Interface/SAD1: length 63.2
  Bottom w0.4: U9.4 202.18,113.03 202.18,102.36 204.98,99.57 204.98,98.55 204.22,97.79 204.22,97.54 203.96,97.28 203.96,69.6 211.07,62.48 211.07,58.67 U30.2
/SASI Interface/SAD2: length 92.5
  Top w0.4: v1(183.9,98.81) 186.18,96.52 187.45,96.52 188.72,97.79 189.56,97.79 189.75,97.97 192.09,97.97 194.31,95.76 204.22,95.76 v1(207.01,98.55)
  Bottom w0.4: U7.9 183.9,107.95 v1(183.9,98.81) ; v1(207.01,98.55) 207.01,97.79 205.49,96.27 205.49,70.1 214.88,60.71 214.88,51.82 U30.16
/SASI Interface/SAD3: length 90.1
  Top w0.4: v1(203.71,98.81) 201.68,96.77 194.56,96.77 192.53,98.81 v1(186.44,98.81)
  Bottom w0.4: U7.12 186.62,115.89 186.62,98.99 v1(186.44,98.81) ; U30.5 208.35,50.73 208.35,61.79 208.53,61.98 208.53,63.75 203.2,69.09 203.2,98.3 v1(203.71,98.81)
/SASI Interface/SAD4: length 79.5
  Top w0.4: v1(204.85,117.02) 204.93,117.09 U9.12
  Bottom w0.4: U30.15 213.87,50.29 213.87,60.87 204.72,70.02 204.72,96.77 205.74,97.79 205.74,102.11 204.72,103.12 204.72,116.89 v1(204.85,117.02)
/SASI Interface/SASIRSTINT: length 156.9
  Top w0.4: v1(204.83,65.17) 204.43,64.77 188.85,64.77 187.32,66.29 180.85,66.29 179.58,67.56 148.08,67.56 145.8,65.28 133.86,65.28 131.83,67.31 109.26,67.31 107.99,66.04 88.65,66.04 v1(87.12,67.56)
  Bottom w0.4: U10.9 87.12,72.14 v1(87.12,67.56) ; U30.9 206.25,42.67 206.25,61.98 204.72,63.5 204.72,65.06 v1(204.83,65.17)
/SASI Interface/SBD0: length 56.2
  Bottom w0.4: U8.9 198.63,107.7 198.63,104.65 202.44,100.84 202.44,63.75 204.72,61.47 204.72,58.67 U29.19
/SASI Interface/SBD1: length 59.2
  Bottom w0.4: U8.5 189.99,112.01 190.75,111.25 190.75,101.09 197.1,94.74 197.1,58.67 U29.2
/SASI Interface/SBD2: length 86.1
  Top w0.4: v1(200.26,101.2) 200.11,101.35 v1(178.56,101.35)
  Bottom w0.4: v1(178.56,101.35) 179.07,101.85 179.07,110.74 U7.5 ; U29.16 201.68,51.05 201.68,99.78 v1(200.26,101.2)
/SASI Interface/SBD3: length 87.6
  Top w0.4: v1(180.85,99.57) 181.1,99.82 192.79,99.82 194.06,98.55 v1(195.58,98.55)
  Bottom w0.4: U7.2 180.85,116.59 v1(180.85,99.57) ; U29.5 197.87,51.82 197.87,95.5 195.58,97.79 v1(195.58,98.55)
/SASI Interface/SBD4: length 74.8
  Bottom w0.4: U8.12 194.31,114.55 194.31,105.66 200.91,99.06 200.91,49.28 U29.15
/SASI Interface/SBD5: length 81.2
  Top w0.4: v1(204.72,101.35) 204.47,101.09 202.44,101.09 199.39,98.04 v1(197.61,98.04)
  Bottom w0.4: v1(197.61,98.04) 197.61,97.03 198.63,96.01 198.63,50.04 U29.6 ; v1(204.72,101.35) 203.2,102.87 203.2,117.09 U9.2
/SASI Interface/SBD6: length 86.1
  Bottom w0.4: U8.2 191.52,117.35 191.52,107.44 200.15,98.81 200.15,42.42 U29.12
/SASI Interface/SBD7: length 113.7
  Top w0.4: v1(197.1,100.08) 194.06,100.08 193.55,100.58 179.83,100.58 179.07,99.82 174.5,99.82 173.23,101.09 v1(167.13,101.09)
  Bottom w0.4: v1(167.13,101.09) 167.13,118.36 U6.2 ; v1(197.1,100.08) 199.39,97.79 199.39,43.18 U29.9
/SASI Interface/~{ACK}: length 41.8
  Bottom w0.4: J2.38 186.94,130.05 175.01,130.05 171.7,126.75 171.7,108.71 U6.8
/SASI Interface/~{BUSY#}: length 60.3
  Top w0.4: v1(220.47,80.77) 220.29,80.59 199.75,80.59 194.67,85.67 173.92,85.67 U16.1
  Bottom w0.4: U19.3 220.47,86.36 v1(220.47,80.77)
/SASI Interface/~{BUSY}: length 76.2
  Top w0.4: v1(224.73,129.48) 224.48,129.48 223.4,130.56 196.09,130.56 J2.36
  Bottom w0.4: v1(224.73,129.48) 224.28,129.03 224.28,125.22 224.97,124.53 224.97,118.04 RP3.14 220.73,113.79 220.73,100.84 225.81,95.76 225.81,94.23 U19.2
/SASI Interface/~{C/D#}: length 14.8
  Top w0.4: U19.7 219.64,83.13 212.02,83.13 U18.2
/SASI Interface/~{C/D}: length 99.4
  Top w0.4: v1(226.82,126.49) 224.79,126.49 222.41,128.87 185.07,128.87 J2.46
  Bottom w0.4: v1(226.82,126.49) 226.82,114.81 RP3.12 222.25,110.24 222.25,101.6 227.01,96.84 227.01,88.83 225.81,87.63 225.81,84.07 U19.6
/SASI Interface/~{I/O}: length 110.9
  Top w0.4: v1(229.36,123.95) 225.3,123.95 224.37,124.88 224.33,124.88 221.79,127.42 181.45,127.42 J2.50
  Bottom w0.4: v1(229.36,123.95) 228.35,122.94 228.35,112.27 226.82,110.74 226.82,109.73 RP3.10 225.55,104.9 225.55,99.59 227.61,97.54 227.61,88.16 226.57,87.12 226.57,79.76 U19.8
